# Altium PCB Guppy.PcbDoc (part 1 of 2)
Units mil, origin at the board's own origin, x right, y up, seen from the top; angles counter-clockwise.
Board outline 1250 x 5000 mil, 4 copper layers (Top Layer, Int1, Int2, Bottom Layer), stack 53.911 mil thick; 114 components, 86 nets, 506 pads, 194 vias.
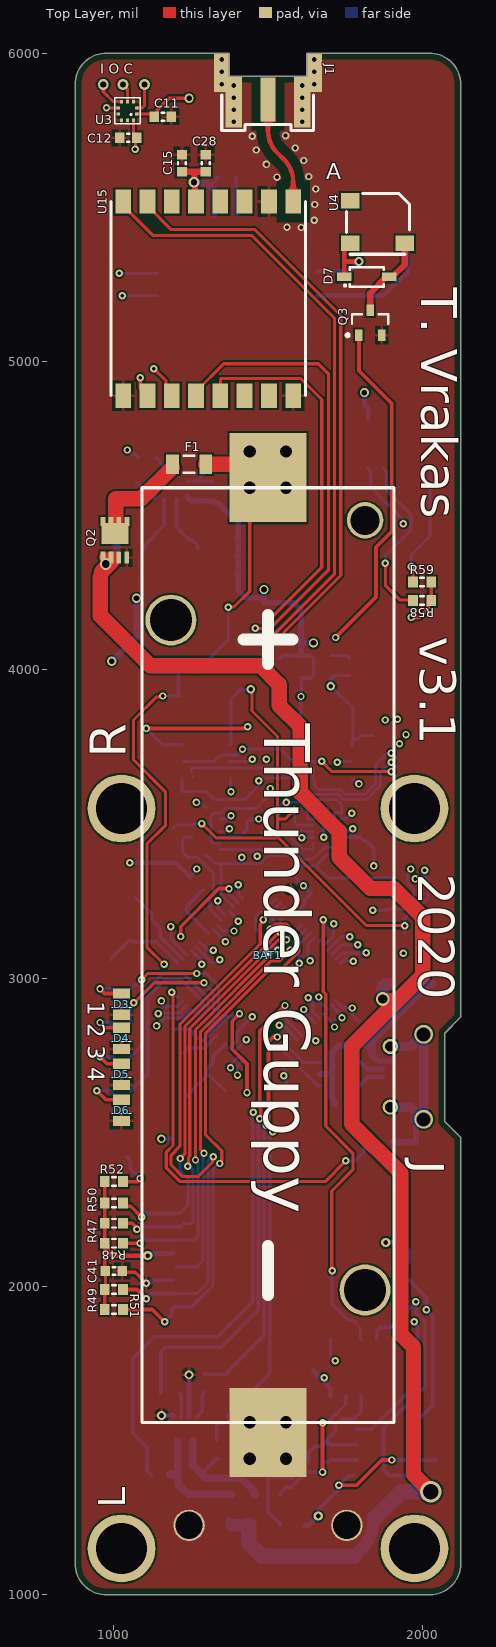
[diagram p0: Top Layer view]
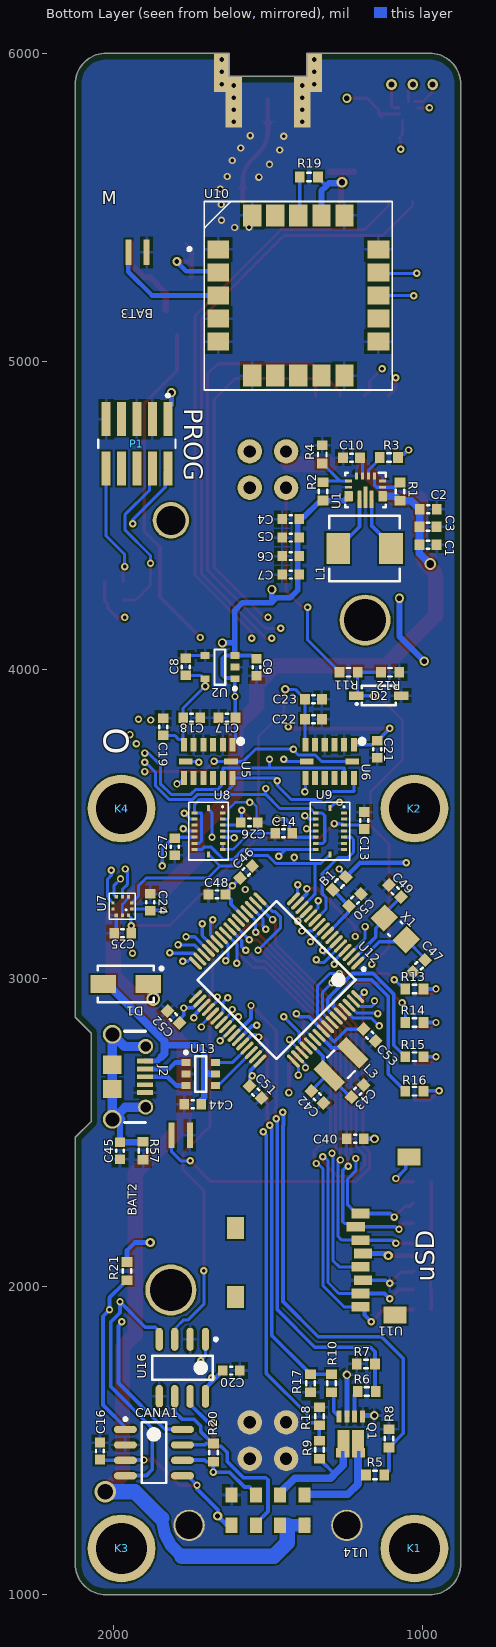
[diagram p1: Bottom Layer view, seen from below]
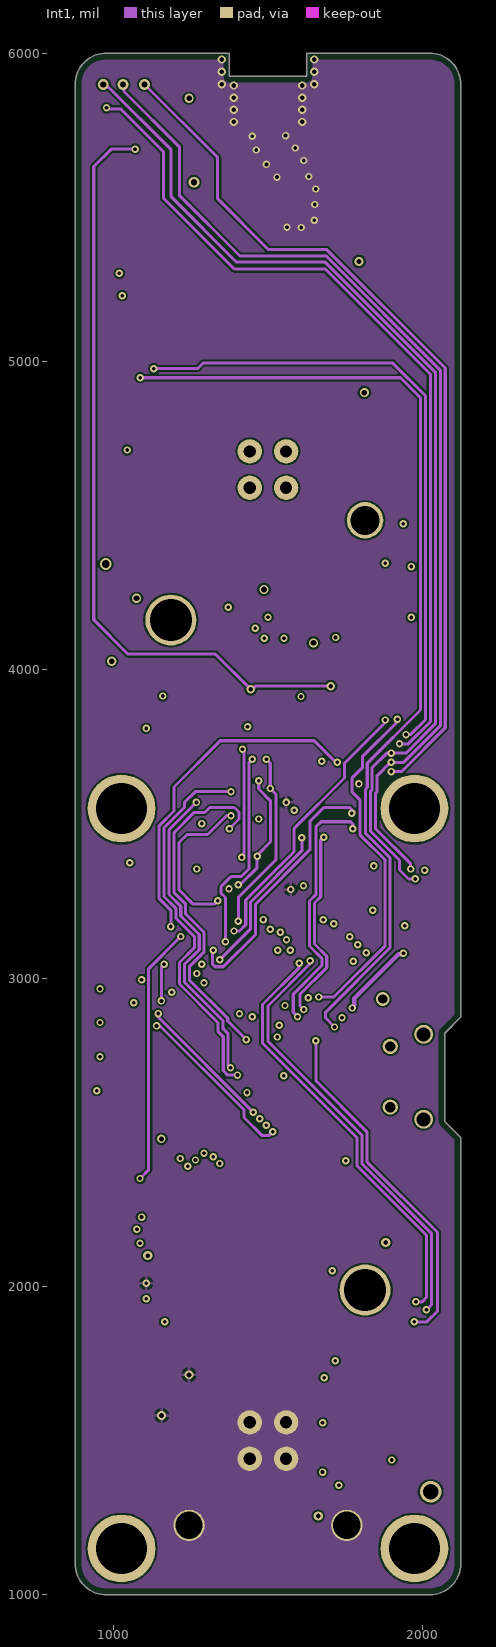
[diagram p2: Int1]
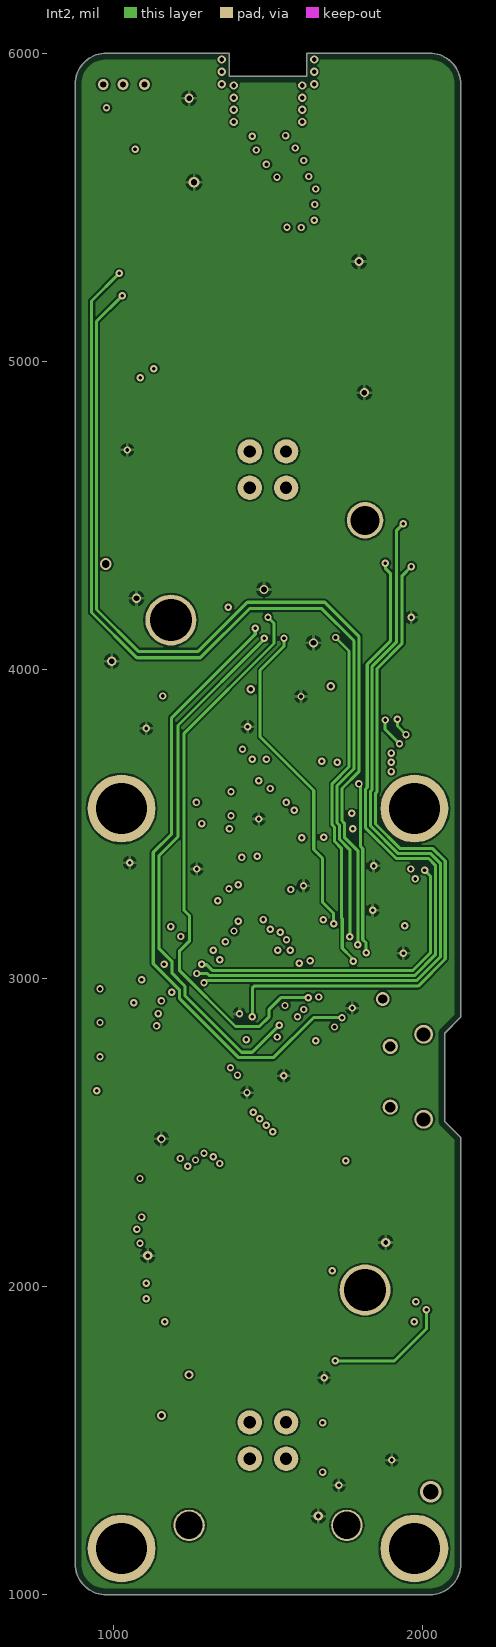
[diagram p3: Int2]
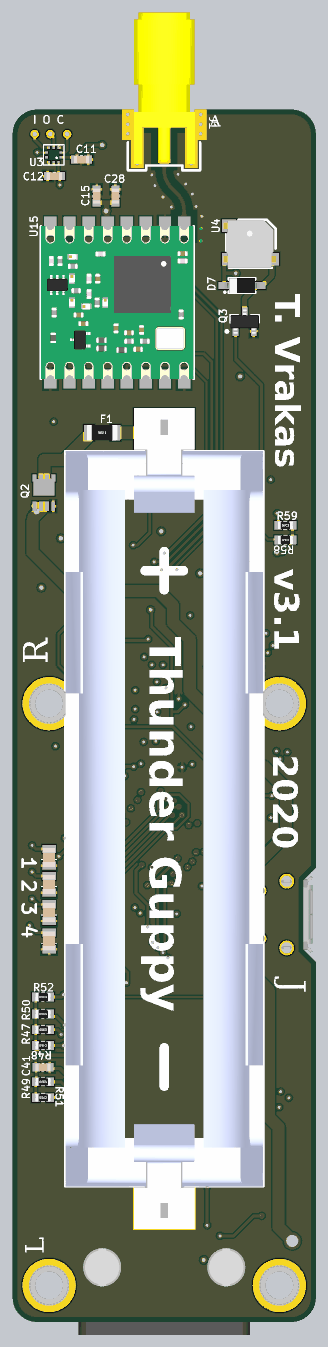
[diagram p5: 3D render of the assembled board from above, using the file's embedded part models]
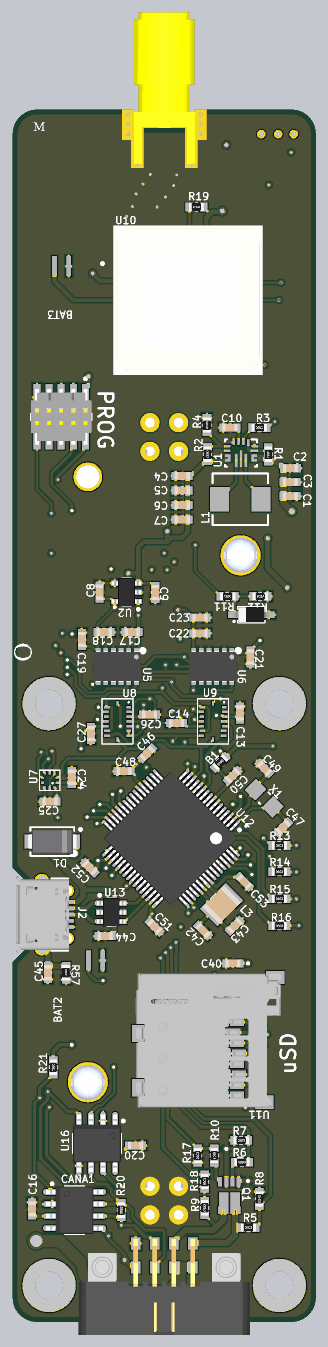
[diagram p6: 3D render of the assembled board from below, using the file's embedded part models]

## Layer stack, top to bottom
Top Solder: solder mask 1, SM-001, Dk 4
Top Layer: signal copper 1.3778
Dielectric 1: prepreg 5.1, PP-017, Dk 4.3
Dielectric 2: prepreg 5.1, PP-017, Dk 4.3
Int1: signal copper 1.3778
Dielectric 3: core 28, Core-039, Dk 4.8
Int2: signal copper 1.3778
Dielectric 4: prepreg 5.1, PP-017, Dk 4.3
Dielectric 5: prepreg 5.1, PP-017, Dk 4.3
Bottom Layer: signal copper 1.3778
Bottom Solder: solder mask 1, SM-001, Dk 4

## Board outline
875,1100 875,5900 cw(c975,5900) 975,6000 1375,6000 1375,5925 1625,5925 1625,6000 2025,6000 cw(c2025,5900) 2125,5900 2125,2872.98 2073.51,2821.49 2073.51,2535.32 2125,2483.82 2125,1100 cw(c2025,1100) 2025,1000 975,1000 cw(c975,1100)

## Design rules (kind name [scope] priority, off if disabled: settings)
BoardOutlineClearance [( Not OnLayer('Bottom Overlay')) AND ( Not OnLayer('Top Overlay'))] p1: gap=20 ignorepadtopadclearanceinfootprint=FALSE except(0: Arc-SplitContinuation Track-SplitContinuation SMDPad-SplitContinuation THPad-SplitContinuation Via-SplitContinuation Fill-SplitContinuation Poly-SplitContinuation Region-SplitContinuation Text-SplitContinuation)
Clearance "Schematic Clearance Constraint" [InNet('NetJ1_S1')] p1: gap=30 ignorepadtopadclearanceinfootprint=FALSE except(0: Arc-Hole Track-Hole SMDPad-Hole THPad-Hole Via-Hole Fill-Hole Poly-Hole Region-Hole Text-Hole; 10: SMDPad-SMDPad)
Clearance [All] p2: gap=6 ignorepadtopadclearanceinfootprint=TRUE except(0: Arc-Hole Track-Hole SMDPad-Hole THPad-Hole Via-Hole Fill-Hole Poly-Hole Region-Hole Text-Hole)
DiffPairsRouting [All] p1: maxlimit=10 minlimit=5 mostfreqgap=10 toplayer_minwidth=5 toplayer_maxwidth=15 toplayer_prefwidth=10 midlayer1_mingap=10 midlayer1_minwidth=10 midlayer1_maxwidth=15 midlayer1_prefwidth=10 midlayer2_mingap=10 midlayer2_minwidth=10 midlayer2_maxwidth=15 midlayer2_prefwidth=10 bottomlayer_minwidth=5 bottomlayer_maxwidth=15 bottomlayer_prefwidth=10 maxuncoupledlength=500
HoleSize [All] p1: absolutevalues=TRUE maxlimit=1000 minlimit=10 maxpercent=80.000 minpercent=20.000
MinimumAnnularRing [All] p1: minimumring=6
MinimumSolderMaskSliver [All] p1: minsoldermaskwidth=0
PolygonConnect [All] p1: connectstyle=Relief reliefconductorwidth=10 reliefentries=4 polygonreliefangle="90 Angle" airgapwidth=10
RoomDefinition Radio [InComponentClass('Radio')] p1: confinementstyle=ConfineIn formatcopy=TRUE lockcomponents=FALSE outline 976.22,4839.83 976.22,5568.49 1292.95,6314.8 1707.05,6314.8 1707.05,5734.8 1635.98,4839.83
RoomDefinition SAMD51 [InComponentClass('SAMD51')] p2: confinementstyle=ConfineIn formatcopy=TRUE lockcomponents=FALSE outline 945.05,3058.79 1022.39,3264.34 1785.06,4909.76 2064.9,4909.76 2123.27,2872.17 2123.27,2404.25 2012.64,2380.79 1938.62,2379.8 1871.38,2379.8 1227.68,2568.26 1143.94,2652
RoomDefinition RS485 [InComponentClass('RS485')] p3: confinementstyle=ConfineIn formatcopy=TRUE lockcomponents=FALSE outline 1559.88,1694.53 1559.88,1759.8 1649.25,1881.85 1923.54,2110.2 1990.79,2110.2 1990.79,1989.8 1891.89,1590.2 1649.25,1590.2
RoomDefinition CAN [InComponentClass('CAN')] p4: confinementstyle=ConfineIn formatcopy=TRUE lockcomponents=FALSE outline 1643.55,1400.71 1643.55,1521.1 1724.17,1589.21 2015.83,1589.21 2077.64,1525.12 2077.64,1406.69 2015.83,1346.57 1724.17,1346.57
RoomDefinition Ematches [InComponentClass('Ematches')] p5: confinementstyle=ConfineIn formatcopy=TRUE lockcomponents=FALSE outline 1073.72,1447.05 1073.72,1567.44 1122.13,1782.4 1242.52,1782.4 1395.67,1746.2 1395.67,1625.81 1367.11,1409.96 1212.99,1355.33 1092.6,1355.33
RoomDefinition Sensors [InComponentClass('Sensors')] p6: confinementstyle=ConfineIn formatcopy=TRUE lockcomponents=FALSE outline 987.4,5693.05 987.4,5758.33 989.86,5867.68 1098.64,5867.68 1218.23,5826.77 1872.64,3874.21 2026.78,3288.01 2030.54,3178.66 2030.54,3113.38 1912.12,3113.38 1222.46,3370.69 1154.96,3451.97 1112.36,3683.23
RoomDefinition GPS [InComponentClass('GPS')] p7: confinementstyle=ConfineIn formatcopy=TRUE lockcomponents=FALSE outline 1054.96,4867.76 1054.96,5560.98 1306.93,5631.85 1427.32,5631.85 1774.94,5560.98 2066.62,5409.47 2066.62,5018.28 1774.94,4867.76
RoomDefinition SD [InComponentClass('SD')] p8: confinementstyle=ConfineIn formatcopy=TRUE lockcomponents=FALSE outline 775.37,1864.98 775.37,2461.87 1157.6,2511.46 1276.02,2511.46 1646.89,2461.87 1646.89,1864.98
RoutingVias [All] p1: holewidth=12 width=24 viastyle="Through Hole" minholewidth=12 minwidth=24 maxholewidth=1000 maxwidth=1000
SilkToSilkClearance [All] p1: silktosilkclearance=0
SilkToSolderMaskClearance [IsPad] p1: minsilkscreentomaskgap=0 clearancetoexposedcopper=TRUE
SolderMaskExpansion [All] p1: expansion=4 istentingtop=FALSE
UnRoutedNet [All] p1: checkbadconnections=TRUE
Width [All] p1: maxlimit=1000 minlimit=6 preferedwidth=6 midlayer1_maxwidth=20 midlayer2_maxwidth=20 minimp=50.000000 maximp=50.000000 favimp=50.000000 checkconnectedcopper=TRUE
24 further rules are at their usual default settings.

## Classes and differential pairs
component class Radio: C15 C28 J1 U15
component class CAN: C16 CANA1 R20
component class RS485: C20 R21 U16
component class Ematches: Q1 R5 R6 R7 R8 R9 R10 R17 R18
component class GPS: BAT3 R19 U10
component class SAMD51: B1 C42 C43 C44 C45 C46 C47 C48 C49 C50 C51 C52 C53 J2 L3 P1 R57 R58 R59 U12 U13 X1
component class SD: C40 C41 R47 R48 R49 R50 R51 R52 U11
component class Sensors: C8 C9 C11 C12 C13 C14 C17 C18 C19 C21 C21_Sensor1 C22 C22_Sensor1 C23 C23_Sensor1 C24 C24_Sensor1 C25 C25_Sensor1 C26 C26_Sensor1 C27 C27_Sensor1 U2 U3 U5 U6 U6_Sensor1 U7 U7_Sensor1 U8 U8_Sensor1 U9
component class Guppy: BAT2 D1 K1 K2 K3 K4 U14
differential pair USB: +USB_P -USB_N
differential pair USB_CON: +USB_CON_P -USB_CON_N

## Components (designator, comment, footprint, x,y, rotation, side; value= is the part's Value field where it differs from the comment)
B1 "FB_1608" R0603 1268.4,3307.23 r315 bottom
BAT1 "BATT_18650" BATT_18650_KEYSTONE_1042_VIAS 1500,3075 r90 top locked
BAT2 "BAT_MS621FE" BATT_COINCELL_RECHARGEABLE 1812.35,2490.63 r90 bottom locked
BAT3 "BAT_MS621FE" BATT_COINCELL_RECHARGEABLE 1952.76,5354.13 r90 bottom
C1 "490-13248-1-ND" C0603 980.65,4405.85 r180 bottom
C2 "490-13248-1-ND" C0603 979.86,4520.99 r180 bottom
C3 "490-13248-1-ND" C0603 980.65,4463.74 r180 bottom
C4 "490-13248-1-ND" C0603 1425.87,4489.09 r0 bottom
C5 "1276-7076-1-ND" C0603 1425.87,4429.09 r0 bottom
C6 "1276-7076-1-ND" C0603 1425.87,4369.09 r0 bottom
C7 "1276-7076-1-ND" C0603 1425.87,4309.09 r0 bottom
C8 "490-13248-1-ND" C0603 1766.39,4009.73 r90 bottom
C9 "490-1519-1-ND" C0603 1537.22,4008.39 r270 bottom
C10 "490-1519-1-ND" C0603 1228.82,4688.31 r0 bottom
C11 "490-1519-1-ND" C0603 1159.02,5794.13 r0 top
C12 "490-1519-1-ND" C0603 1046.61,5725.69 r180 top
C13 "490-1519-1-ND" C0603 1187.6,3511.18 r90 bottom
C14 "490-1519-1-ND" C0603 1449.18,3470 r0 bottom
C15 "490-1519-1-ND" C0603 1221.02,5643.5 r90 top
C16 "490-1519-1-ND" C0603 2045,1465.91 r270 bottom
C17 "490-1519-1-ND" C0603 1632.6,3845 r0 bottom
C18 "490-1519-1-ND" C0603 1747.6,3845 r0 bottom
C19 "490-13248-1-ND" C0603 1840,3815 r90 bottom
C20 "490-1519-1-ND" C0603 1619.09,1727.17 r0 bottom
C21 "490-1519-1-ND" C0603 1145,3742.44 r270 bottom
C22 "490-1519-1-ND" C0603 1352.6,3840 r0 bottom
C23 "490-13248-1-ND" C0603 1352.6,3905 r180 bottom
C24 "490-1519-1-ND" C0603 1881.33,3246.02 r90 bottom
C25 "490-1519-1-ND" C0603 1971.33,3146.02 r0 bottom
C26 "490-1519-1-ND" C0603 1560.35,3505 r180 bottom
C27 "490-1519-1-ND" C0603 1802.6,3426.18 r270 bottom
C28 "490-13248-1-ND" C0603 1298.23,5643.5 r90 top
C40 "490-13248-1-ND" C0603 1216.81,2478.82 r180 bottom
C41 "490-1519-1-ND" C0603 1000,2050 r0 top
C42 "311-1785-1-ND" C0603 1340,2615 r45 bottom
C43 "490-1519-1-ND" C0603 1208.89,2633.21 r135 bottom
C44 "490-1519-1-ND" C0603 1743.75,2591.03 r0 bottom
C45 "490-1506-1-ND" C0603 1980,2440 r90 bottom
C46 "490-13248-1-ND" C0603 1570.51,3344.49 r315 bottom
C47 "490-1411-1-ND" C0603 1010,3040 r135 bottom
C48 "490-1519-1-ND" C0603 1665.45,3271.56 r180 bottom
C49 "490-1411-1-ND" C0603 1087.34,3283.13 r225 bottom
C50 "490-1519-1-ND" C0603 1217.52,3253.11 r315 bottom
C51 "490-1519-1-ND" C0603 1540,2630 r45 bottom
C52 "490-1519-1-ND" C0603 1807.09,2873.82 r45 bottom
C53 "490-1519-1-ND" C0603 1170,2815 r45 bottom
CANA1 "ATA6561" 8SOIC150 1870,1460.91 r180 bottom
D1 "Diode_CD214A-B1100LF" SMA 1961.61,2981.1 r180 bottom
D2 "Symbol" SOD123 1141.18,3916.6 r0 bottom
D3 "LED_LY971" 0805_Diode 1025,2926.02 r90 top
D4 "LED_LY971" 0805_Diode 1025,2814.67 r90 top
D5 "LED_LY971" 0805_Diode 1025,2697.91 r90 top
D6 "LED_LY971" 0805_Diode 1025,2581.26 r90 top
D7 "Symbol" SOD123 1820.87,5274.41 r180 top
F1 "Symbol" R1206 1244.09,4667.13 r180 top
J1 "SMA-J-P-X-ST-EM2" SMA-J-P-X-ST-EM1 1500,5925 r0 top locked
J2 "CONN_USB_MICROB_SMD_TH_R/A" CONN_USBMICROB_10118194-0001LF 2005,2680 r270 bottom locked
K1 "#4_PRESSFIT_MOUNTING_FOOT" #4_PRESSFIT_FOOT_1/4 1025,1150 r180 bottom
K2 "#4_PRESSFIT_MOUNTING_FOOT" #4_PRESSFIT_FOOT_1/4 1025,3550 r180 bottom
K3 "#4_PRESSFIT_MOUNTING_FOOT" #4_PRESSFIT_FOOT_1/4 1975,1150 r180 bottom
K4 "#4_PRESSFIT_MOUNTING_FOOT" #4_PRESSFIT_FOOT_1/4 1975,3550 r180 bottom
L1 "Symbol" SMD5230 1186.61,4393.31 r0 bottom
L3 "Symbol" C1210 1263.03,2720.6 r135 bottom
P1 "FTSH-105-01-F-DV-K" SMTC-FTSH-105-01-L-DV-K_V 1924.98,4733.23 r0 bottom
Q1 "Symbol" POWERPAK_1212-8_DUAL 1231.54,1533.78 r270 bottom
Q2 "PFET_SI7615ADN-T1" POWERPAK_1212-8_SINGLE 1003.64,4408.07 r90 top
Q3 "Symbol" 3SOT23 1831.69,5125.79 r90 top
R1 "311-10.0KHRCT-ND" R0603 1071.75,4578.31 r270 bottom
R2 "311-470KHRCT-ND" R0603 1321.61,4578.78 r270 bottom
R3 "311-100KHRCT-ND" R0603 1107.94,4688.31 r180 bottom
R4 "311-150KHRCT-ND" R0603 1323.82,4698.78 r90 bottom
R5 "311-10.0KHRCT-ND" R0603 1152.79,1388.96 r180 bottom
R6 "311-100HRCT-ND" R0603 1179.66,1658.78 r0 bottom
R7 "311-3.30KHRCT-ND" R0603 1182.32,1748.78 r180 bottom
R8 "311-10.0KHRCT-ND" R0603 1107.34,1507.24 r90 bottom
R9 "311-10.0KHRCT-ND" R0603 1333.48,1470.16 r90 bottom
R10 "311-100HRCT-ND" R0603 1293.66,1686 r270 bottom
R11 "311-10.0KHRCT-ND" R0603 1238.62,3992.27 r0 bottom
R12 "311-20.0KHRCT-ND" R0603 1103.62,3992.27 r0 bottom
R13 "311-100HRCT-ND" R0603 1025,2965 r180 bottom
R14 "311-100HRCT-ND" R0603 1025,2856.42 r180 bottom
R15 "311-100HRCT-ND" R0603 1025,2745 r180 bottom
R16 "311-100HRCT-ND" R0603 1025,2633.21 r180 bottom
R17 "311-3.30KHRCT-ND" R0603 1362.05,1686 r90 bottom
R18 "311-10.0KHRCT-ND" R0603 1333.48,1578.78 r90 bottom
R19 "311-10.0KHRCT-ND" R0603 1367.13,5598.23 r0 bottom
R20 "311-120HRCT-ND" R0603 1677.18,1460.91 r90 bottom
R21 "311-10.0KHRCT-ND" R0603 1957.17,2050 r270 bottom
R47 "311-100KHRCT-ND" R0603 1000,2205 r0 top
R48 "311-10.0KHRCT-ND" R0603 1000,2140 r0 top
R49 "311-100KHRCT-ND" R0603 1000,1990 r0 top
R50 "311-100KHRCT-ND" R0603 1000,2270 r0 top
R51 "311-100KHRCT-ND" R0603 1000,1925 r0 top
R52 "311-10.0KHRCT-ND" R0603 1000,2340 r0 top
R57 "311-1.00MHRCT-ND" R0603 1905,2440 r270 bottom
R58 "311-1.00KHRCT-ND" R0603 2000,4225 r0 top
R59 "311-10.0KHRCT-ND" R0603 2000,4285 r0 top
U1 "TPS63070RNM" TPS63070 1098.82,4648.07 r0 bottom
U2 "LDO_TLV70033QDDCRQ1" 5SOT23 1655.79,4009.04 r0 bottom
U3 "BMP388" "8 pin LGA" 1044.25,5813.29 r270 top
U4 "BUZ_SMT-0540-T-7-R" BUZ_SMT-0540-T-7-R 1943.9,5383.66 r90 top
U5 "ADXL375BCCZ" LGA_CC-14-1 1693.66,3703.15 r270 bottom
U6 "ADXL375BCCZ" LGA_CC-14-1 1299.96,3703.15 r270 bottom
U7 "BMP388" "8 pin LGA" 1972.39,3233.62 r270 bottom
U8 "IMU_BMI088" BMI088 1633.66,3388.19 r90 bottom
U9 "IMU_BMI088" BMI088 1239.96,3388.19 r90 bottom locked
U10 "SAM-M8" SAM-M8 1401.57,5214.37 r180 bottom
U11 "MICRO_SD_CARD_HOLDER" MICROSD_CARD_SOCKET 1050.22,1884.88 r270 bottom locked
U12 "SAME51J20A-A" "SAMD TQFP-64" 1471.97,2994.23 r315 bottom locked
U13 "USBLC6-2" 6SOT23 1718.01,2689.07 r180 bottom
U14 "CONN 2x4 HARWIN M80-5S20805MD" M80-5S20805MD 1500,1225 r180 bottom locked
U15 "RFM_Module" RFM-22 1030.51,4889.2 r90 top locked
U16 "SN65HVD7x" 8SOIC150 1777.56,1736.02 r270 bottom
X1 "Symbol" XTAL_TXC_9HT10 1087.34,3159.87 r225 bottom

## Footprints (in the part's own frame and the unit in brackets; to place one, negate y for a bottom-side part, rotate by r counter-clockwise, add the part's x,y. Pads: shape width x height; smd on the part's side, far side on the other; paste and mask are expansions set on the pad)
3SOT23 [mm] "SOT23, 3-Leads, Body 3.0x2.6mm (max), Pitch 1.01mm, IPC High Density"
  rect 0.95x0.6 smd: 1(-1.025,0.95) 2(-1.025,-0.95) 3(1.025,0)
  silkscreen extent -1.15,-1.5 0.7,1.98, body extent -1.25,-1.5 1.25,1.5, height 1.01
5SOT23 [mm] "SOT23, 5-Leads, Body 2.9x2.8mm (max), Pitch 0.95mm, IPC High Density"
  rect 0.75x0.55 smd: 1(-1.225,0.95) 2(-1.225,0) 3(-1.225,-0.95) 4(1.225,-0.95) 5(1.225,0.95)
  silkscreen extent -1.35,-1.45 0.45,1.9, body extent -1.5,-1.5 1.5,1.5, height 1.46
6SOT23 [mm] "SOT23, 6-Leads, Body 2.9x2.8mm (max), Pitch 0.95mm, IPC High Density"
  rect 0.75x0.55 smd: 1(-1.225,0.95) 2(-1.225,0) 3(-1.225,-0.95) 4(1.225,-0.95) 5(1.225,0) 6(1.225,0.95)
  silkscreen extent -1.35,-1.45 0.45,1.9, body extent -1.5,-1.5 1.5,1.5, height 1.46
"8 pin LGA" [mm]
  rect 0.25x0.275 smd: 1(0.25,0.763) 2(-0.25,0.763) 6(-0.25,-0.763) 7(0.25,-0.763)
  rect 0.275x0.25 smd: 3(-0.763,0.5) 4(-0.763,0) 5(-0.763,-0.5) 8(0.763,-0.5) 9(0.763,0) 10(0.763,0.5)
  silkscreen extent -1.06,-1.06 1.06,1.06, body extent -1,-1 1,1, height 0.75
8SOIC150 [mm] "SOIC, 8-Leads, Body 5.0x4.0mm (max), Pitch 1.27mm, IPC High Density"
  oval 1.9x0.6 smd: 1(-2.35,1.905) 2(-2.35,0.635) 3(-2.35,-0.635) 4(-2.35,-1.905) 5(2.35,-1.905) 6(2.35,-0.635) 7(2.35,0.635) 8(2.35,1.905)
  silkscreen extent -2.48,-2.5 1,2.88, body extent -3.01,-2.5 3.01,2.5, height 1.75
0805_Diode [mm]
  rect 0.85x1.4 smd: 1(-1.129,0) 2(0.621,0)
  silkscreen extent -0.5,-0.8 -0.5,0.8, body extent -1.25,-0.62 0.75,0.63, height 0.59
#4_PRESSFIT_FOOT_1/4 [mil] "Press-Fit Unthreaded Spacers, 7/32\" OD, 1/4\" Long"
  round 220 hole 166 unplated: 1(0,0)
  body extent -109,-109 109,110, height 250
BATT_18650_KEYSTONE_1042_VIAS [mm] "18650 Unpolarized Battery Clip"
  round 2 hole 1 paste+0 mask+0: CELL+(38.5,-1.5) CELL+(38.5,1.5) CELL+(41.5,-1.5) CELL+(41.5,1.5) CELL-(-41.5,-1.5) CELL-(-41.5,1.5) CELL-(-38.5,-1.5) CELL-(-38.5,1.5)
  rect 7.34x6.35 smd: CELL+(39.33,0) CELL-(-39.33,0)
  round 4.2 hole 3.45: CLIP1(-27.6,-8) CLIP2(27.6,8)
  round 3 hole 2.39: CLIP3(35.82,-8)
  silkscreen extent -38.5,-10.39 38.5,10.39, body extent -42.98,-10.32 43.03,10.33, height 14.86
BATT_COINCELL_RECHARGEABLE [mm] "RECHARGEABLE COIN CELL MS621FE"
  rect 2.1x0.5 smd: +(0,0) -(0,-1.5)
  body extent -8.28,-4.16 -1.48,2.64, height 2.8
BMI088 [mm]
  rect 0.25x0.475 smd: 1(3.75,0.34) 2(3.25,0.34) 3(2.75,0.34) 4(2.25,0.34) 5(1.75,0.34) 6(1.25,0.34) 7(0.75,0.34) 9(0.75,2.66) 10(1.25,2.66) 11(1.75,2.66) 12(2.25,2.66) 13(2.75,2.66) 14(3.25,2.66) 15(3.75,2.66)
  rect 0.475x0.25 smd: 8(0.335,1.5) 16(4.165,1.5)
  silkscreen extent -0.13,-0.13 4.63,3.13, body extent 0,0 4.5,3, height 1
BUZ_SMT-0540-T-7-R [mm]
  rect 1.3x1.5 smd: 1(0,4.5) 2(0,0) 3(3.5,4.5)
  silkscreen extent -0.9,-0.4 4.1,4.8, body extent -0.92,-0.43 4.08,5.07, height 2
C0603 [mm] "Chip Capacitor, 2-Leads, Body 1.6x0.8mm, IPC High Density"
  rect 0.8x0.85 smd: 1(-0.7,0) 2(0.7,0)
  silkscreen extent -0.1,-0.33 0.1,0.33, body extent -0.8,-0.4 0.8,0.4, height 0.8
C1210 [mm] "Chip Capacitor, 2-Leads, Body 3.2x2.5mm, IPC High Density"
  rect 1.1x2.6 smd: 1(-1.35,0) 2(1.35,0)
  silkscreen extent -0.4,-1.2 0.4,1.2, body extent -1.6,-1.25 1.6,1.25, height 0.78
CONN_USBMICROB_10118194-0001LF [mm]
  rect 0.4x1.35 smd: 1(-1.3,2.7) 2(-0.65,2.7) 3(0,2.7) 4(0.65,2.7) 5(1.3,2.7)
  round 1.55 hole 1.15: SHIELD(-3.5,0) SHIELD(3.5,0)
  round 1.25 hole 0.85: SHIELD(-2.5,2.75) SHIELD(2.5,2.75)
  rect 1.5x1.55 smd: SHIELD(-1,0) SHIELD(1,0)
  silkscreen extent -3.75,1.02 3.75,2.75, body extent -4.03,-2.71 6.75,2.87, height 5.83
LGA_CC-14-1 [mm]
  rect 1.118x0.5 smd mask+0.025: 1(-1.371,2) 2(-1.371,1.2) 3(-1.371,0.4) 4(-1.371,-0.4) 5(-1.371,-1.2) 6(-1.371,-2) 8(1.371,-2) 9(1.371,-1.2) 10(1.371,-0.4) 11(1.371,0.4) 12(1.371,1.2) 13(1.371,2)
  rect 0.5x1.118 smd mask+0.025: 7(0,-1.871) 14(0,1.871)
  silkscreen extent -1.84,2.48 -1.46,2.86, body extent -1.63,-2.5 1.63,2.5, height 1
M80-5S20805MD [mm] "Harwin 2x4 Male Edge Mount Datamate Connector"
  rect 1x1.27 smd paste+0: 1(3,2.5) 2(3,0) 3(1,2.5) 4(1,0) 5(-1,2.5) 6(-1,0) 7(-3,2.5) 8(-3,0)
  round 2.591 hole 2.25 paste+0 mask+0.102: S(-6.5,0) S(6.5,0)
  body extent -9,-7.1 9,3, height 6.03